# Allegro board SG2042_EVB_V2_0.brd (continued)
## Placement (name value [footprint] x y rotation side) (continued)
C471  10uF/6.3V  [C0402_BGA]  117.25 204.05 90 bottom
C475  1uF_16V  [C0402_BGA]  109.25 207.05 270 bottom
C476  1uF_16V  [C0402_BGA]  110.25 207.05 90 bottom
C477  1uF_16V  [C0402_BGA]  111.25 207.05 270 bottom
C478  1uF_16V  [C0402_BGA]  117.25 207.05 270 bottom
C479  1uF_16V  [C0402_BGA]  119.25 207.05 270 bottom
C480  1uF_16V  [C0402_BGA]  120.25 207.05 90 bottom
C481  1uF_16V  [C0402_BGA]  122.25 207.05 90 bottom
C482  1uF_16V  [C0402_BGA]  123.25 207.05 270 bottom
C483  1uF_16V  [C0402_BGA]  124.25 207.05 90 bottom
C484  1uF_16V  [C0402_BGA]  125.75 206.55 180 bottom
C485  1uF_16V  [C0402_BGA]  104.75 205.55 180 bottom
C486  1uF_16V  [C0402_BGA]  106.75 205.55 180 bottom
C487  1uF_16V  [C0402_BGA]  110.75 205.55 180 bottom
C488  1uF_16V  [C0402_BGA]  112.75 205.55 180 bottom
C489  1uF_16V  [C0402_BGA]  116.75 205.55 180 bottom
C490  1uF_16V  [C0402_BGA]  118.75 205.55 180 bottom
C491  1uF_16V  [C0402_BGA]  120.75 205.55 180 bottom
C492  1uF_16V  [C0402_BGA]  122.75 205.55 180 bottom
C493  1uF_16V  [C0402_BGA]  124.75 205.55 180 bottom
C494  1uF_16V  [C0402_BGA]  128.75 205.55 180 bottom
C495  1uF_16V  [C0402_BGA]  130.75 205.55 180 bottom
C496  10uF/6.3V  [C0402_BGA]  121.25 207.05 270 bottom
C497  10uF/6.3V  [C0402_BGA]  108.75 205.55 180 bottom
C498  10uF/6.3V  [C0402_BGA]  114.75 205.55 180 bottom
C499  10uF/6.3V  [C0402_BGA]  126.75 205.55 180 bottom
C505  1uF_16V  [C0402_BGA]  103.75 202.55 180 bottom
C506  1uF_16V  [C0402_BGA]  105.75 202.55 180 bottom
C507  1uF_16V  [C0402_BGA]  107.75 202.55 180 bottom
C508  1uF_16V  [C0402_BGA]  111.75 202.55 180 bottom
C509  1uF_16V  [C0402_BGA]  113.75 202.55 180 bottom
C510  1uF_16V  [C0402_BGA]  115.75 202.55 180 bottom
C511  1uF_16V  [C0402_BGA]  117.75 202.55 180 bottom
C512  1uF_16V  [C0402_BGA]  119.75 202.55 180 bottom
C513  1uF_16V  [C0402_BGA]  121.75 202.55 180 bottom
C514  1uF_16V  [C0402_BGA]  125.75 202.55 180 bottom
C515  1uF_16V  [C0402_BGA]  127.75 202.55 180 bottom
C516  1uF_16V  [C0402_BGA]  129.75 202.55 180 bottom
C517  1uF_16V  [C0402_BGA]  131.75 202.55 180 bottom
C518  10uF/6.3V  [C0402_BGA]  109.75 202.55 180 bottom
C519  10uF/6.3V  [C0402_BGA]  123.75 202.55 180 bottom
C525  1uF_16V  [C0402]  223.7 273.81 90 bottom
C526  100nF_25V  [C0402]  223.7 275.51 90 bottom
C531  10uF/6.3V  [C0402]  19.46 281.05 270 top
C532  2.2uF 6.3V  [C0402]  18.59 281.05 270 top
C533  2.2uF 6.3V  [C0402]  17.73 281.05 270 top
C534  100nF_25V  [C0402]  16.87 281.05 270 top
C535  100nF_25V  [C0402]  16 281.05 270 top
C536  100nF_25V  [C0402]  21.56 279.78 180 top
C537  100nF_25V  [C0402]  221.21 281.51 0 bottom
C538  2.2uF 6.3V  [C0402]  219.18 281.51 0 bottom
C539  2.2uF 6.3V  [C0402]  221.72 278.89 180 bottom
C540  2.2uF 6.3V  [C0402]  218.97 274.4 90 bottom
C541  100nF_25V  [C0402]  219.07 276.48 270 bottom
C542  2.2uF 6.3V  [C0402]  217.17 278.99 180 bottom
C543  2.2uF 6.3V  [C0402]  218.08 277.47 90 bottom
C548  1uF_16V_NC  [C0402]  27.97 263.3 270 top
C549  4.7uF_6.3V  [C0402]  31.72 268.38 180 bottom
C550  100nF_25V  [C0402]  31.72 267.51 180 bottom
C551  100nF_25V  [C0402]  31.72 266.65 180 bottom
C552  100nF_25V  [C0402]  32.99 267.08 90 bottom
C557  4.7uF_6.3V  [C0402]  27.33 269.7 270 bottom
C558  100nF_25V  [C0402]  28.19 269.7 270 bottom
C559  100nF_25V  [C0402]  27.79 265.43 90 bottom
C560  4.7uF_6.3V  [C0402]  31.72 269.24 180 bottom
C561  100nF_25V  [C0402]  31.72 270.1 180 bottom
C562  100nF_25V  [C0402]  31.72 265.79 180 bottom
C563  100nF_25V  [C0402]  27.46 266.73 0 bottom
C564  100nF_25V  [C0402]  27.46 268.4 0 bottom
C565  100nF_25V  [C0402]  29.06 269.7 270 bottom
C566  10nF 50V  [C0402]  22.4 266.37 0 bottom
C567  1nF 2KV  [C1206]  24.23 249.91 0 bottom
C568  0.1uF 50V  [C0603]  24.71 248.26 0 bottom
C569  1nF 2KV  [C1206]  6.58 249.91 180 bottom
C570  0.1uF 50V  [C0603]  24.71 247.07 0 bottom
C571  0.1uF 50V  [C0603]  4.14 247.07 180 bottom
C572  0.1uF 50V  [C0603]  4.14 248.26 180 bottom
C573  12pF 50V  [C0402]  28.52 273.1 180 top
C574  12pF 50V  [C0402]  30.25 273.1 0 top
C575  10uF/6.3V  [C0402]  114.83 266.45 0 top
C576  100nF_25V  [C0402]  114.83 265.58 0 top
C577  100nF_25V  [C0402]  112.8 265.58 0 top
C579  10uF/6.3V  [C0402]  110.21 266.45 0 top
C580  100nF_25V  [C0402]  110.21 265.58 0 top
C581  100nF_25V  [C0402]  108.18 265.58 0 top
C582  10uF/6.3V  [C0402]  127.05 266.45 0 top
C583  100nF_25V  [C0402]  127.05 265.58 0 top
C584  100nF_25V  [C0402]  132.13 22.12 0 top
C585  100nF_25V  [C0402]  125.02 265.58 0 top
C586  220pF 50V  [C0402]  133.96 23.85 270 top
C587  100nF_25V  [C0402]  116.54 172.24 0 top
C590  4.7uF_6.3V  [C0402_BGA]  104.25 224.05 270 bottom
C592  4.7uF_6.3V  [C0402_BGA]  129.25 222.05 270 bottom
C594  4.7uF_6.3V  [C0402_BGA]  129.25 224.05 270 bottom
C600  4.7uF_6.3V  [C0402_BGA]  104.25 222.05 270 bottom
C602  4.7uF_6.3V  [C0402]  118.41 170.79 0 top
C604  4.7uF_6.3V  [C0402]  120.45 170.79 0 top
C606  10uF/6.3V  [C0402_BGA]  104.25 239.05 90 bottom
C607  10uF/6.3V  [C0402_BGA]  106.25 239.05 90 bottom
C608  10uF/6.3V  [C0402_BGA]  108.25 239.05 90 bottom
C609  10uF/6.3V  [C0402_BGA]  110.25 239.05 90 bottom
C610  10uF/6.3V  [C0402_BGA]  112.25 239.05 90 bottom
C611  10uF/6.3V  [C0402_BGA]  114.25 239.05 90 bottom
C612  10uF/6.3V  [C0402_BGA]  116.2 239.05 90 bottom
C613  10uF/6.3V  [C0402_BGA]  118.28 239.05 90 bottom
C614  10uF/6.3V  [C0402_BGA]  120.25 239.05 90 bottom
C615  10uF/6.3V  [C0402_BGA]  122.25 239.05 90 bottom
C616  10uF/6.3V  [C0402_BGA]  124.25 239.05 90 bottom
C617  10uF/6.3V  [C0402_BGA]  126.25 239.05 90 bottom
C618  10uF/6.3V  [C0402_BGA]  128.25 239.05 90 bottom
C619  10uF/6.3V  [C0402_BGA]  105.25 237.05 270 bottom
C620  10uF/6.3V  [C0402_BGA]  107.25 237.05 270 bottom
C621  10uF/6.3V  [C0402_BGA]  109.25 237.05 270 bottom
C622  10uF/6.3V  [C0402_BGA]  111.25 237.05 270 bottom
C623  10uF/6.3V  [C0402_BGA]  113.25 237.05 270 bottom
C624  10uF/6.3V  [C0402_BGA]  115.22 237.05 270 bottom
C625  10uF/6.3V  [C0402_BGA]  117.3 237.05 270 bottom
C626  10uF/6.3V  [C0402_BGA]  119.25 237.05 270 bottom
C627  10uF/6.3V  [C0402_BGA]  121.25 237.05 270 bottom
C628  10uF/6.3V  [C0402_BGA]  123.25 237.05 270 bottom
C629  10uF/6.3V  [C0402_BGA]  125.25 237.05 270 bottom
C630  10uF/6.3V  [C0402_BGA]  127.25 237.05 270 bottom
C631  10uF/6.3V  [C0402_BGA]  129.25 237.05 270 bottom
C632  10uF/6.3V  [C0402_BGA]  104.25 235.05 90 bottom
C633  10uF/6.3V  [C0402_BGA]  106.25 235.05 90 bottom
C634  10uF/6.3V  [C0402_BGA]  108.25 235.05 90 bottom
C635  10uF/6.3V  [C0402_BGA]  110.25 235.05 90 bottom
C636  10uF/6.3V  [C0402_BGA]  112.25 235.05 90 bottom
C637  10uF/6.3V  [C0402_BGA]  114.25 235.05 90 bottom
C638  10uF/6.3V  [C0402_BGA]  116.2 235.05 90 bottom
C639  10uF/6.3V  [C0402_BGA]  118.28 235.05 90 bottom
C640  10uF/6.3V  [C0402_BGA]  120.25 235.05 90 bottom
C641  10uF/6.3V  [C0402_BGA]  122.25 235.05 90 bottom
C642  10uF/6.3V  [C0402_BGA]  124.25 235.05 90 bottom
C643  10uF/6.3V  [C0402_BGA]  126.25 235.05 90 bottom
C644  10uF/6.3V  [C0402_BGA]  128.25 235.05 90 bottom
C645  10uF/6.3V  [C0402_BGA]  129.25 233.05 270 bottom
C646  10uF/6.3V  [C0402_BGA]  104.25 231.05 90 bottom
C647  10uF/6.3V  [C0402_BGA]  106.43 231.05 90 bottom
C648  10uF/6.3V  [C0402_BGA]  108.38 231.05 90 bottom
C649  10uF/6.3V  [C0402_BGA]  110.33 231.05 90 bottom
C650  10uF/6.3V  [C0402_BGA]  112.28 231.05 90 bottom
C651  10uF/6.3V  [C0402_BGA]  114.25 231.05 90 bottom
C652  10uF/6.3V  [C0402_BGA]  118.28 231.05 90 bottom
C653  10uF/6.3V  [C0402_BGA]  120.25 231.05 90 bottom
C654  10uF/6.3V  [C0402_BGA]  122.2 231.05 90 bottom
C655  10uF/6.3V  [C0402_BGA]  124.15 231.05 90 bottom
C656  10uF/6.3V  [C0402_BGA]  126.1 231.05 90 bottom
C657  10uF/6.3V  [C0402_BGA]  107.4 229.05 270 bottom
C658  10uF/6.3V  [C0402_BGA]  109.35 229.05 270 bottom
C659  10uF/6.3V  [C0402_BGA]  111.3 229.05 270 bottom
C660  10uF/6.3V  [C0402_BGA]  113.25 229.05 270 bottom
C661  10uF/6.3V  [C0402_BGA]  115.22 229.05 270 bottom
C662  10uF/6.3V  [C0402_BGA]  119.25 229.05 270 bottom
C663  10uF/6.3V  [C0402_BGA]  121.22 229.05 270 bottom
C664  10uF/6.3V  [C0402_BGA]  123.17 229.05 270 bottom
C665  10uF/6.3V  [C0402_BGA]  125.12 229.05 270 bottom
C666  10uF/6.3V  [C0402_BGA]  127.07 229.05 270 bottom
C667  10uF/6.3V  [C0402_BGA]  106.43 227.05 90 bottom
C668  10uF/6.3V  [C0402_BGA]  108.38 227.05 90 bottom
C669  10uF/6.3V  [C0402_BGA]  110.33 227.05 90 bottom
C670  10uF/6.3V  [C0402_BGA]  112.28 227.05 90 bottom
C671  10uF/6.3V  [C0402_BGA]  114.25 227.05 90 bottom
C672  10uF/6.3V  [C0402_BGA]  118.28 227.05 90 bottom
C673  10uF/6.3V  [C0402_BGA]  120.25 227.05 90 bottom
C674  10uF/6.3V  [C0402_BGA]  122.2 227.05 90 bottom
C675  10uF/6.3V  [C0402_BGA]  124.15 227.05 90 bottom
C676  10uF/6.3V  [C0402_BGA]  126.1 227.05 90 bottom
C677  10uF/6.3V  [C0402_BGA]  107.4 225.05 270 bottom
C678  10uF/6.3V  [C0402_BGA]  109.35 225.05 270 bottom
C679  10uF/6.3V  [C0402_BGA]  111.3 225.05 270 bottom
C680  10uF/6.3V  [C0402_BGA]  113.25 225.05 270 bottom
C681  10uF/6.3V  [C0402_BGA]  115.22 225.05 270 bottom
C682  10uF/6.3V  [C0402_BGA]  119.25 225.05 270 bottom
C683  10uF/6.3V  [C0402_BGA]  121.22 225.05 270 bottom
C684  10uF/6.3V  [C0402_BGA]  123.17 225.05 270 bottom
C685  10uF/6.3V  [C0402_BGA]  125.12 225.05 270 bottom
C686  10uF/6.3V  [C0402_BGA]  127.07 225.05 270 bottom
C687  10uF/6.3V  [C0402_BGA]  106.43 223.05 90 bottom
C688  10uF/6.3V  [C0402_BGA]  108.38 223.05 90 bottom
C689  10uF/6.3V  [C0402_BGA]  110.33 223.05 90 bottom
C690  10uF/6.3V  [C0402_BGA]  112.28 223.05 90 bottom
C691  10uF/6.3V  [C0402_BGA]  114.25 223.05 90 bottom
C692  10uF/6.3V  [C0402_BGA]  118.28 223.05 90 bottom
C693  10uF/6.3V  [C0402_BGA]  120.25 223.05 90 bottom
C694  10uF/6.3V  [C0402_BGA]  122.2 223.05 90 bottom
C695  10uF/6.3V  [C0402_BGA]  124.15 223.05 90 bottom
C696  10uF/6.3V  [C0402_BGA]  126.1 223.05 90 bottom
C697  10uF/6.3V  [C0402_BGA]  106.43 219.05 90 bottom
C698  10uF/6.3V  [C0402_BGA]  108.38 219.05 90 bottom
C699  10uF/6.3V  [C0402_BGA]  110.33 219.05 90 bottom
C700  10uF/6.3V  [C0402_BGA]  112.28 219.05 90 bottom
C701  10uF/6.3V  [C0402_BGA]  114.25 219.05 90 bottom
C702  10uF/6.3V  [C0402_BGA]  118.28 219.05 90 bottom
C703  10uF/6.3V  [C0402_BGA]  120.25 219.05 90 bottom
C704  10uF/6.3V  [C0402_BGA]  122.2 219.05 90 bottom
C705  10uF/6.3V  [C0402_BGA]  124.15 219.05 90 bottom
C706  10uF/6.3V  [C0402_BGA]  126.1 219.05 90 bottom
C707  10uF/6.3V  [C0402_BGA]  107.4 217.05 270 bottom
C708  10uF/6.3V  [C0402_BGA]  109.35 217.05 270 bottom
C709  10uF/6.3V  [C0402_BGA]  111.3 217.05 270 bottom
C710  10uF/6.3V  [C0402_BGA]  113.25 217.05 270 bottom
C711  10uF/6.3V  [C0402_BGA]  115.22 217.05 270 bottom
C712  10uF/6.3V  [C0402_BGA]  119.25 217.05 270 bottom
C713  10uF/6.3V  [C0402_BGA]  121.22 217.05 270 bottom
C714  10uF/6.3V  [C0402_BGA]  123.17 217.05 270 bottom
C715  10uF/6.3V  [C0402_BGA]  125.12 217.05 270 bottom
C716  10uF/6.3V  [C0402_BGA]  127.07 217.05 270 bottom
C717  10uF/6.3V  [C0402_BGA]  104.25 215.05 90 bottom
C718  10uF/6.3V  [C0402_BGA]  106.43 215.05 90 bottom
C719  10uF/6.3V  [C0402_BGA]  108.38 215.05 90 bottom
C720  10uF/6.3V  [C0402_BGA]  110.33 215.05 90 bottom
C721  10uF/6.3V  [C0402_BGA]  112.28 215.05 90 bottom
C722  10uF/6.3V  [C0402_BGA]  114.25 215.05 90 bottom
C723  10uF/6.3V  [C0402_BGA]  118.28 215.05 90 bottom
C724  10uF/6.3V  [C0402_BGA]  120.25 215.05 90 bottom
C725  10uF/6.3V  [C0402_BGA]  122.2 215.05 90 bottom
C726  10uF/6.3V  [C0402_BGA]  124.15 215.05 90 bottom
C727  10uF/6.3V  [C0402_BGA]  126.1 215.05 90 bottom
C728  10uF/6.3V  [C0402_BGA]  107.4 213.05 270 bottom
C729  10uF/6.3V  [C0402_BGA]  109.35 213.05 270 bottom
C730  10uF/6.3V  [C0402_BGA]  111.3 213.05 270 bottom
C731  10uF/6.3V  [C0402_BGA]  113.25 213.05 270 bottom
C756  4.7uF_6.3V  [C0402_BGA]  105.25 239.05 270 bottom
C757  4.7uF_6.3V  [C0402_BGA]  107.25 239.05 270 bottom
C758  4.7uF_6.3V  [C0402_BGA]  109.25 239.05 270 bottom
C759  4.7uF_6.3V  [C0402_BGA]  111.25 239.05 270 bottom
C760  4.7uF_6.3V  [C0402_BGA]  113.25 239.05 270 bottom
C761  4.7uF_6.3V  [C0402_BGA]  115.22 239.05 270 bottom
C762  4.7uF_6.3V  [C0402_BGA]  117.3 239.05 270 bottom
C763  4.7uF_6.3V  [C0402_BGA]  119.25 239.05 270 bottom
C764  4.7uF_6.3V  [C0402_BGA]  121.25 239.05 270 bottom
C765  4.7uF_6.3V  [C0402_BGA]  123.25 239.05 270 bottom
C766  4.7uF_6.3V  [C0402_BGA]  125.25 239.05 270 bottom
C767  4.7uF_6.3V  [C0402_BGA]  127.25 239.05 270 bottom
C768  4.7uF_6.3V  [C0402_BGA]  129.25 239.05 270 bottom
C769  4.7uF_6.3V  [C0402_BGA]  104.25 237.05 90 bottom
C770  4.7uF_6.3V  [C0402_BGA]  106.25 237.05 90 bottom
C771  4.7uF_6.3V  [C0402_BGA]  108.25 237.05 90 bottom
C772  4.7uF_6.3V  [C0402_BGA]  110.25 237.05 90 bottom
C773  4.7uF_6.3V  [C0402_BGA]  112.25 237.05 90 bottom
C774  4.7uF_6.3V  [C0402_BGA]  114.25 237.05 90 bottom
C775  4.7uF_6.3V  [C0402_BGA]  116.2 237.05 90 bottom
C776  4.7uF_6.3V  [C0402_BGA]  118.28 237.05 90 bottom
C777  4.7uF_6.3V  [C0402_BGA]  120.25 237.05 90 bottom
C778  4.7uF_6.3V  [C0402_BGA]  122.25 237.05 90 bottom
C779  4.7uF_6.3V  [C0402_BGA]  124.25 237.05 90 bottom
C780  4.7uF_6.3V  [C0402_BGA]  126.25 237.05 90 bottom
C781  4.7uF_6.3V  [C0402_BGA]  128.25 237.05 90 bottom
C782  4.7uF_6.3V  [C0402_BGA]  105.25 235.05 270 bottom
C783  4.7uF_6.3V  [C0402_BGA]  107.25 235.05 270 bottom
C784  4.7uF_6.3V  [C0402_BGA]  109.25 235.05 270 bottom
C785  4.7uF_6.3V  [C0402_BGA]  111.25 235.05 270 bottom
C786  4.7uF_6.3V  [C0402_BGA]  113.25 235.05 270 bottom
C787  4.7uF_6.3V  [C0402_BGA]  115.22 235.05 270 bottom
C788  4.7uF_6.3V  [C0402_BGA]  117.3 235.05 270 bottom
C789  4.7uF_6.3V  [C0402_BGA]  119.25 235.05 270 bottom
C790  4.7uF_6.3V  [C0402_BGA]  121.25 235.05 270 bottom
C791  4.7uF_6.3V  [C0402_BGA]  123.25 235.05 270 bottom
C792  4.7uF_6.3V  [C0402_BGA]  125.25 235.05 270 bottom
C793  4.7uF_6.3V  [C0402_BGA]  127.25 235.05 270 bottom
C794  4.7uF_6.3V  [C0402_BGA]  129.25 235.05 270 bottom
C795  4.7uF_6.3V  [C0402_BGA]  104.25 233.05 90 bottom
C796  4.7uF_6.3V  [C0402_BGA]  107.4 231.05 270 bottom
C797  4.7uF_6.3V  [C0402_BGA]  109.35 231.05 270 bottom
C798  4.7uF_6.3V  [C0402_BGA]  111.3 231.05 270 bottom
C799  4.7uF_6.3V  [C0402_BGA]  113.25 231.05 270 bottom
C800  4.7uF_6.3V  [C0402_BGA]  115.22 231.05 270 bottom
C801  4.7uF_6.3V  [C0402_BGA]  119.25 231.05 270 bottom
C802  4.7uF_6.3V  [C0402_BGA]  121.22 231.05 270 bottom
C803  4.7uF_6.3V  [C0402_BGA]  123.17 231.05 270 bottom
C804  4.7uF_6.3V  [C0402_BGA]  125.12 231.05 270 bottom
C805  4.7uF_6.3V  [C0402_BGA]  127.07 231.05 270 bottom
C806  4.7uF_6.3V  [C0402_BGA]  129.25 231.05 270 bottom
C807  4.7uF_6.3V  [C0402_BGA]  106.43 229.05 90 bottom
C808  4.7uF_6.3V  [C0402_BGA]  103.75 229.55 0 bottom
C809  4.7uF_6.3V  [C0402_BGA]  108.38 229.05 90 bottom
C810  4.7uF_6.3V  [C0402_BGA]  110.33 229.05 90 bottom
C811  4.7uF_6.3V  [C0402_BGA]  112.28 229.05 90 bottom
C812  4.7uF_6.3V  [C0402_BGA]  114.25 229.05 90 bottom
C813  4.7uF_6.3V  [C0402_BGA]  118.28 229.05 90 bottom
C814  4.7uF_6.3V  [C0402_BGA]  120.25 229.05 90 bottom
C815  4.7uF_6.3V  [C0402_BGA]  122.2 229.05 90 bottom
C816  4.7uF_6.3V  [C0402_BGA]  124.15 229.05 90 bottom
C817  4.7uF_6.3V  [C0402_BGA]  126.1 229.05 90 bottom
C818  4.7uF_6.3V  [C0402_BGA]  107.4 227.05 270 bottom
C819  4.7uF_6.3V  [C0402_BGA]  109.35 227.05 270 bottom
C820  4.7uF_6.3V  [C0402_BGA]  111.3 227.05 270 bottom
C821  4.7uF_6.3V  [C0402_BGA]  113.25 227.05 270 bottom
C822  4.7uF_6.3V  [C0402_BGA]  115.22 227.05 270 bottom
C823  4.7uF_6.3V  [C0402_BGA]  119.25 227.05 270 bottom
C824  4.7uF_6.3V  [C0402_BGA]  121.22 227.05 270 bottom
C825  4.7uF_6.3V  [C0402_BGA]  123.17 227.05 270 bottom
C826  4.7uF_6.3V  [C0402_BGA]  125.12 227.05 270 bottom
C827  4.7uF_6.3V  [C0402_BGA]  127.07 227.05 270 bottom
C828  4.7uF_6.3V  [C0402_BGA]  106.43 225.05 90 bottom
C829  4.7uF_6.3V  [C0402_BGA]  108.38 225.05 90 bottom
C830  4.7uF_6.3V  [C0402_BGA]  110.33 225.05 90 bottom
C831  4.7uF_6.3V  [C0402_BGA]  112.28 225.05 90 bottom
C832  4.7uF_6.3V  [C0402_BGA]  114.25 225.05 90 bottom
C833  4.7uF_6.3V  [C0402_BGA]  118.28 225.05 90 bottom
C834  4.7uF_6.3V  [C0402_BGA]  120.25 225.05 90 bottom
C835  4.7uF_6.3V  [C0402_BGA]  122.2 225.05 90 bottom
C836  4.7uF_6.3V  [C0402_BGA]  124.15 225.05 90 bottom
C837  4.7uF_6.3V  [C0402_BGA]  126.1 225.05 90 bottom
C838  4.7uF_6.3V  [C0402_BGA]  107.4 223.05 270 bottom
C839  4.7uF_6.3V  [C0402_BGA]  109.35 223.05 270 bottom
C840  4.7uF_6.3V  [C0402_BGA]  111.3 223.05 270 bottom
C841  4.7uF_6.3V  [C0402_BGA]  113.25 223.05 270 bottom
C842  4.7uF_6.3V  [C0402_BGA]  115.22 223.05 270 bottom
C843  4.7uF_6.3V  [C0402_BGA]  119.25 223.05 270 bottom
C844  4.7uF_6.3V  [C0402_BGA]  121.22 223.05 270 bottom
C845  4.7uF_6.3V  [C0402_BGA]  123.17 223.05 270 bottom
C846  4.7uF_6.3V  [C0402_BGA]  125.12 223.05 270 bottom
C847  4.7uF_6.3V  [C0402_BGA]  127.07 223.05 270 bottom
C848  4.7uF_6.3V  [C0402_BGA]  107.4 219.05 270 bottom
C849  4.7uF_6.3V  [C0402_BGA]  109.35 219.05 270 bottom
C850  4.7uF_6.3V  [C0402_BGA]  111.3 219.05 270 bottom
C851  4.7uF_6.3V  [C0402_BGA]  113.25 219.05 270 bottom
C852  4.7uF_6.3V  [C0402_BGA]  115.22 219.05 270 bottom
C853  4.7uF_6.3V  [C0402_BGA]  119.25 219.05 270 bottom
C854  4.7uF_6.3V  [C0402_BGA]  121.22 219.05 270 bottom
C855  4.7uF_6.3V  [C0402_BGA]  123.17 219.05 270 bottom
C856  4.7uF_6.3V  [C0402_BGA]  125.12 219.05 270 bottom
C857  4.7uF_6.3V  [C0402_BGA]  127.07 219.05 270 bottom
C858  4.7uF_6.3V  [C0402_BGA]  106.43 217.05 90 bottom
C859  4.7uF_6.3V  [C0402_BGA]  108.38 217.05 90 bottom
C860  4.7uF_6.3V  [C0402_BGA]  110.33 217.05 90 bottom
C861  4.7uF_6.3V  [C0402_BGA]  112.28 217.05 90 bottom
C862  4.7uF_6.3V  [C0402_BGA]  114.25 217.05 90 bottom
C863  4.7uF_6.3V  [C0402_BGA]  118.28 217.05 90 bottom
C864  4.7uF_6.3V  [C0402_BGA]  120.25 217.05 90 bottom
C865  4.7uF_6.3V  [C0402_BGA]  122.2 217.05 90 bottom
C866  4.7uF_6.3V  [C0402_BGA]  124.15 217.05 90 bottom
C867  4.7uF_6.3V  [C0402_BGA]  126.1 217.05 90 bottom
C868  4.7uF_6.3V  [C0402_BGA]  107.4 215.05 270 bottom
C869  4.7uF_6.3V  [C0402_BGA]  109.35 215.05 270 bottom
C870  4.7uF_6.3V  [C0402_BGA]  111.3 215.05 270 bottom
C871  4.7uF_6.3V  [C0402_BGA]  113.25 215.05 270 bottom
C872  4.7uF_6.3V  [C0402_BGA]  115.22 215.05 270 bottom
C873  4.7uF_6.3V  [C0402_BGA]  119.25 215.05 270 bottom
C874  4.7uF_6.3V  [C0402_BGA]  121.22 215.05 270 bottom
C875  4.7uF_6.3V  [C0402_BGA]  123.17 215.05 270 bottom
C876  4.7uF_6.3V  [C0402_BGA]  125.12 215.05 270 bottom
C877  4.7uF_6.3V  [C0402_BGA]  127.07 215.05 270 bottom
C878  4.7uF_6.3V  [C0402_BGA]  129.25 215.05 270 bottom
C879  4.7uF_6.3V  [C0402_BGA]  104.25 213.05 90 bottom
C880  4.7uF_6.3V  [C0402_BGA]  106.43 213.05 90 bottom
C881  4.7uF_6.3V  [C0402_BGA]  108.38 213.05 90 bottom
C976  47uF_6.3V  [C0603]  107.33 232.71 180 bottom
C977  47uF_6.3V  [C0603]  109.97 232.71 180 bottom
C978  47uF_6.3V  [C0603]  112.61 232.71 180 bottom
C979  47uF_6.3V  [C0603]  115.25 232.71 180 bottom
C980  47uF_6.3V  [C0603]  118.25 232.71 180 bottom
C981  47uF_6.3V  [C0603]  120.89 232.71 180 bottom
C982  47uF_6.3V  [C0603]  123.53 232.71 180 bottom
C983  47uF_6.3V  [C0603]  126.17 232.71 180 bottom
C984  47uF_6.3V  [C0603]  105.34 232.73 270 bottom
C985  47uF_6.3V  [C0603]  105.34 230.14 270 bottom
C986  47uF_6.3V  [C0603]  105.34 227.55 270 bottom
C987  47uF_6.3V  [C0603]  105.34 224.96 270 bottom
C988  47uF_6.3V  [C0603]  105.34 222.37 270 bottom
C989  47uF_6.3V  [C0603]  105.34 219.78 270 bottom
C990  47uF_6.3V  [C0603]  105.34 217.19 270 bottom
C991  47uF_6.3V  [C0603]  105.34 214.6 270 bottom
C992  47uF_6.3V  [C0603]  105.34 212.01 270 bottom
C993  47uF_6.3V  [C0603]  105.34 209.42 270 bottom
C994  47uF_6.3V  [C0603]  128.16 232.73 90 bottom
C995  47uF_6.3V  [C0603]  128.16 230.14 90 bottom
C996  47uF_6.3V  [C0603]  128.16 227.55 90 bottom
C997  47uF_6.3V  [C0603]  128.16 224.96 90 bottom
C998  47uF_6.3V  [C0603]  128.16 222.37 90 bottom
C999  47uF_6.3V  [C0603]  128.16 219.78 90 bottom
C1000  47uF_6.3V  [C0603]  128.16 217.19 90 bottom
C1001  47uF_6.3V  [C0603]  128.16 214.6 90 bottom
C1002  47uF_6.3V  [C0603]  128.16 212.01 90 bottom
C1003  47uF_6.3V  [C0603]  128.16 209.42 90 bottom
C1004  47uF_6.3V  [C0603]  107.33 209.39 0 bottom
C1005  47uF_6.3V  [C0603]  109.97 209.39 0 bottom
C1006  47uF_6.3V  [C0603]  112.61 209.39 0 bottom
C1007  47uF_6.3V  [C0603]  115.25 209.39 0 bottom
C1008  47uF_6.3V  [C0603]  118.25 209.39 0 bottom
C1009  47uF_6.3V  [C0603]  120.89 209.39 0 bottom
C1010  47uF_6.3V  [C0603]  123.53 209.39 0 bottom
C1011  47uF_6.3V  [C0603]  126.17 209.39 0 bottom
C1156  100nF_25V  [C0402]  103.73 104.55 180 top
C1157  100nF_25V  [C0402]  105.61 108.66 180 bottom
C1158  100nF_25V  [C0402]  105.61 110.16 180 bottom
C1159  100nF_25V  [C0402]  109.88 112.42 90 bottom
C1160  100nF_25V  [C0402]  110.64 110.16 0 bottom
C1161  100nF_25V  [C0402]  110.64 108.66 0 bottom
C1162  100nF_25V  [C0402]  109.6 107.39 270 bottom
C1163  100nF_25V  [C0402]  108.74 107.39 270 bottom
C1164  100nF_25V  [C0402]  107.87 107.39 270 bottom
C1165  10uF/6.3V  [C0402]  106.38 107.39 270 bottom
C1167  22uF_25V  [C0805]  124.43 158.72 270 top
C1168  100nF_25V  [C0402]  123.11 158.88 270 top
C1169  1uF_16V  [C0402]  120.02 158.47 270 top
C1170  12pF 50V  [C0402]  122.05 155.88 90 top
C1171  100nF_25V  [C0402]  227 176.5 270 top
C1172  47uF_6.3V  [C0603]  123.52 164.74 180 top
C1173  47uF_6.3V  [C0603]  123.52 165.94 180 top
C1182  330uF_30V  [CAP-SMD100-H126]  222.83 246.02 180 top
C1183  22uF_25V  [C0805]  220.83 234.7 270 top
C1184  22uF_25V  [C0805]  219.07 234.7 270 top
C1186  100nF_25V  [C0402]  217.75 234.87 270 top
C1187  47uF_16V  [C1210]  219.53 228.7 90 top
C1188  22uF_10V  [C0603]  217.4 228.35 90 top
C1189  22uF_10V  [C0603]  216.2 228.35 90 top
C1190  22uF_10V  [C0603]  215.01 228.35 90 top
C1191  100nF_25V  [C0402]  213.97 228.14 90 top
C1192  47uF_16V  [C1210]  227.38 206.45 90 top
C1193  22uF_10V  [C0603]  225.25 206.1 90 top
C1194  22uF_10V  [C0603]  224.05 206.1 90 top
C1195  22uF_10V  [C0603]  222.86 206.1 90 top
C1196  100nF_25V  [C0402]  221.82 205.87 90 top
C1215  1uF_16V  [C0402]  126.21 153.01 270 top
C1217  22uF_25V  [C0805]  130.63 153.26 270 top
C1218  100nF_25V  [C0402]  129.31 153.42 270 top
C1220  12pF 50V  [C0402]  128.24 150.42 90 top
C1221  47uF_6.3V  [C0603]  129.72 160.48 180 top
C1222  47uF_6.3V  [C0603]  129.72 159.28 180 top
C1231  22uF_25V  [C0805]  225.45 259.77 0 top
C1232  100nF_25V  [C0402]  225.3 258.44 0 top
C1233  1uF_16V  [C0402]  225.7 255.35 0 top
C1234  12pF 50V  [C0402]  228.3 257.38 180 top
C1235  47uF_6.3V  [C0603]  219.46 258.85 270 top
C1236  47uF_6.3V  [C0603]  218.26 258.85 270 top
C1420  100nF_25V  [C0402]  193.45 229.9 90 top
C1421  1nF 50V  [C0402]  189.81 223.27 180 top
C1422  10uF/6.3V  [C0402]  191.52 223.27 0 top
C1424  10uF/6.3V  [C0402]  193.22 222.4 0 top
C1425  10uF/6.3V  [C0402]  193.22 221.54 0 top
C1426  10uF/6.3V  [C0402]  193.22 220.68 0 top
C1448  4.7uF_6.3V  [C0402_BGA]  129.25 220.05 90 bottom
C1450  4.7uF_6.3V  [C0402_BGA]  129.25 218.05 270 bottom
C1452  4.7uF_6.3V  [C0402_BGA]  129.25 228.05 90 bottom
C1454  4.7uF_6.3V  [C0402_BGA]  129.25 226.05 270 bottom
C1456  4.7uF_6.3V  [C0402_BGA]  104.25 220.05 90 bottom
C1458  4.7uF_6.3V  [C0402_BGA]  104.25 218.05 270 bottom
C1460  4.7uF_6.3V  [C0402_BGA]  104.25 228.05 90 bottom
C1462  4.7uF_6.3V  [C0402_BGA]  104.25 226.05 270 bottom
C1465  100nF_25V  [C0402_BGA]  112.25 207.05 90 bottom
C1466  2.2uF 6.3V  [C0402_BGA]  113.25 207.05 90 bottom
C1468  100nF_25V  [C0402_BGA]  114.25 207.05 90 bottom
C1469  2.2uF 6.3V  [C0402_BGA]  115.25 207.05 90 bottom
C1471  100nF_25V  [C0402_BGA]  101.75 203.55 180 bottom
C1472  2.2uF 6.3V  [C0402_BGA]  101.75 202.55 180 bottom
C1473  2.2uF 6.3V  [C0402_BGA]  99.75 203.55 0 bottom
C1474  100nF_25V  [C0402_BGA]  99.75 202.55 180 bottom
C1475  2.2uF 6.3V  [C0402_BGA]  98.25 203.05 270 bottom
C1476  2.2uF 6.3V  [C0402_BGA]  97.75 201.55 0 bottom
C1477  100nF_25V  [C0402_BGA]  102.25 215.05 90 bottom
C1478  2.2uF 6.3V  [C0402_BGA]  131.25 211.05 90 bottom
C1479  100nF_25V  [C0402_BGA]  102.25 213.05 90 bottom
C1480  100nF_25V  [C0402_BGA]  102.25 211.05 90 bottom
C1481  100nF_25V  [C0402_BGA]  102.25 209.05 90 bottom
C1482  100nF_25V  [C0402_BGA]  102.25 207.05 90 bottom
C1483  100nF_25V  [C0402_BGA]  102.25 205.05 90 bottom
C1484  100nF_25V  [C0402_BGA]  131.25 215.05 90 bottom
C1485  100nF_25V  [C0402_BGA]  131.25 213.05 90 bottom
C1486  100nF_25V  [C0402_BGA]  131.25 209.05 90 bottom
C1487  100nF_25V  [C0402_BGA]  131.25 207.05 90 bottom
C1488  100nF_25V  [C0402_BGA]  116.25 207.05 90 bottom
C1533  100nF_25V  [C0402]  44.07 229.9 90 top
C1534  1nF 50V  [C0402]  40.44 223.27 180 top
C1535  10uF/6.3V  [C0402]  43.84 222.4 0 top
C1536  10uF/6.3V  [C0402]  43.84 221.54 0 top
C1537  10uF/6.3V  [C0402]  43.84 220.68 0 top
C1538  10uF/6.3V  [C0402]  42.14 223.27 0 top
C1557  100nF_25V  [C0402]  111.81 151.69 90 top